# Allegro board SDHCalFEB20180110.brd (continued)
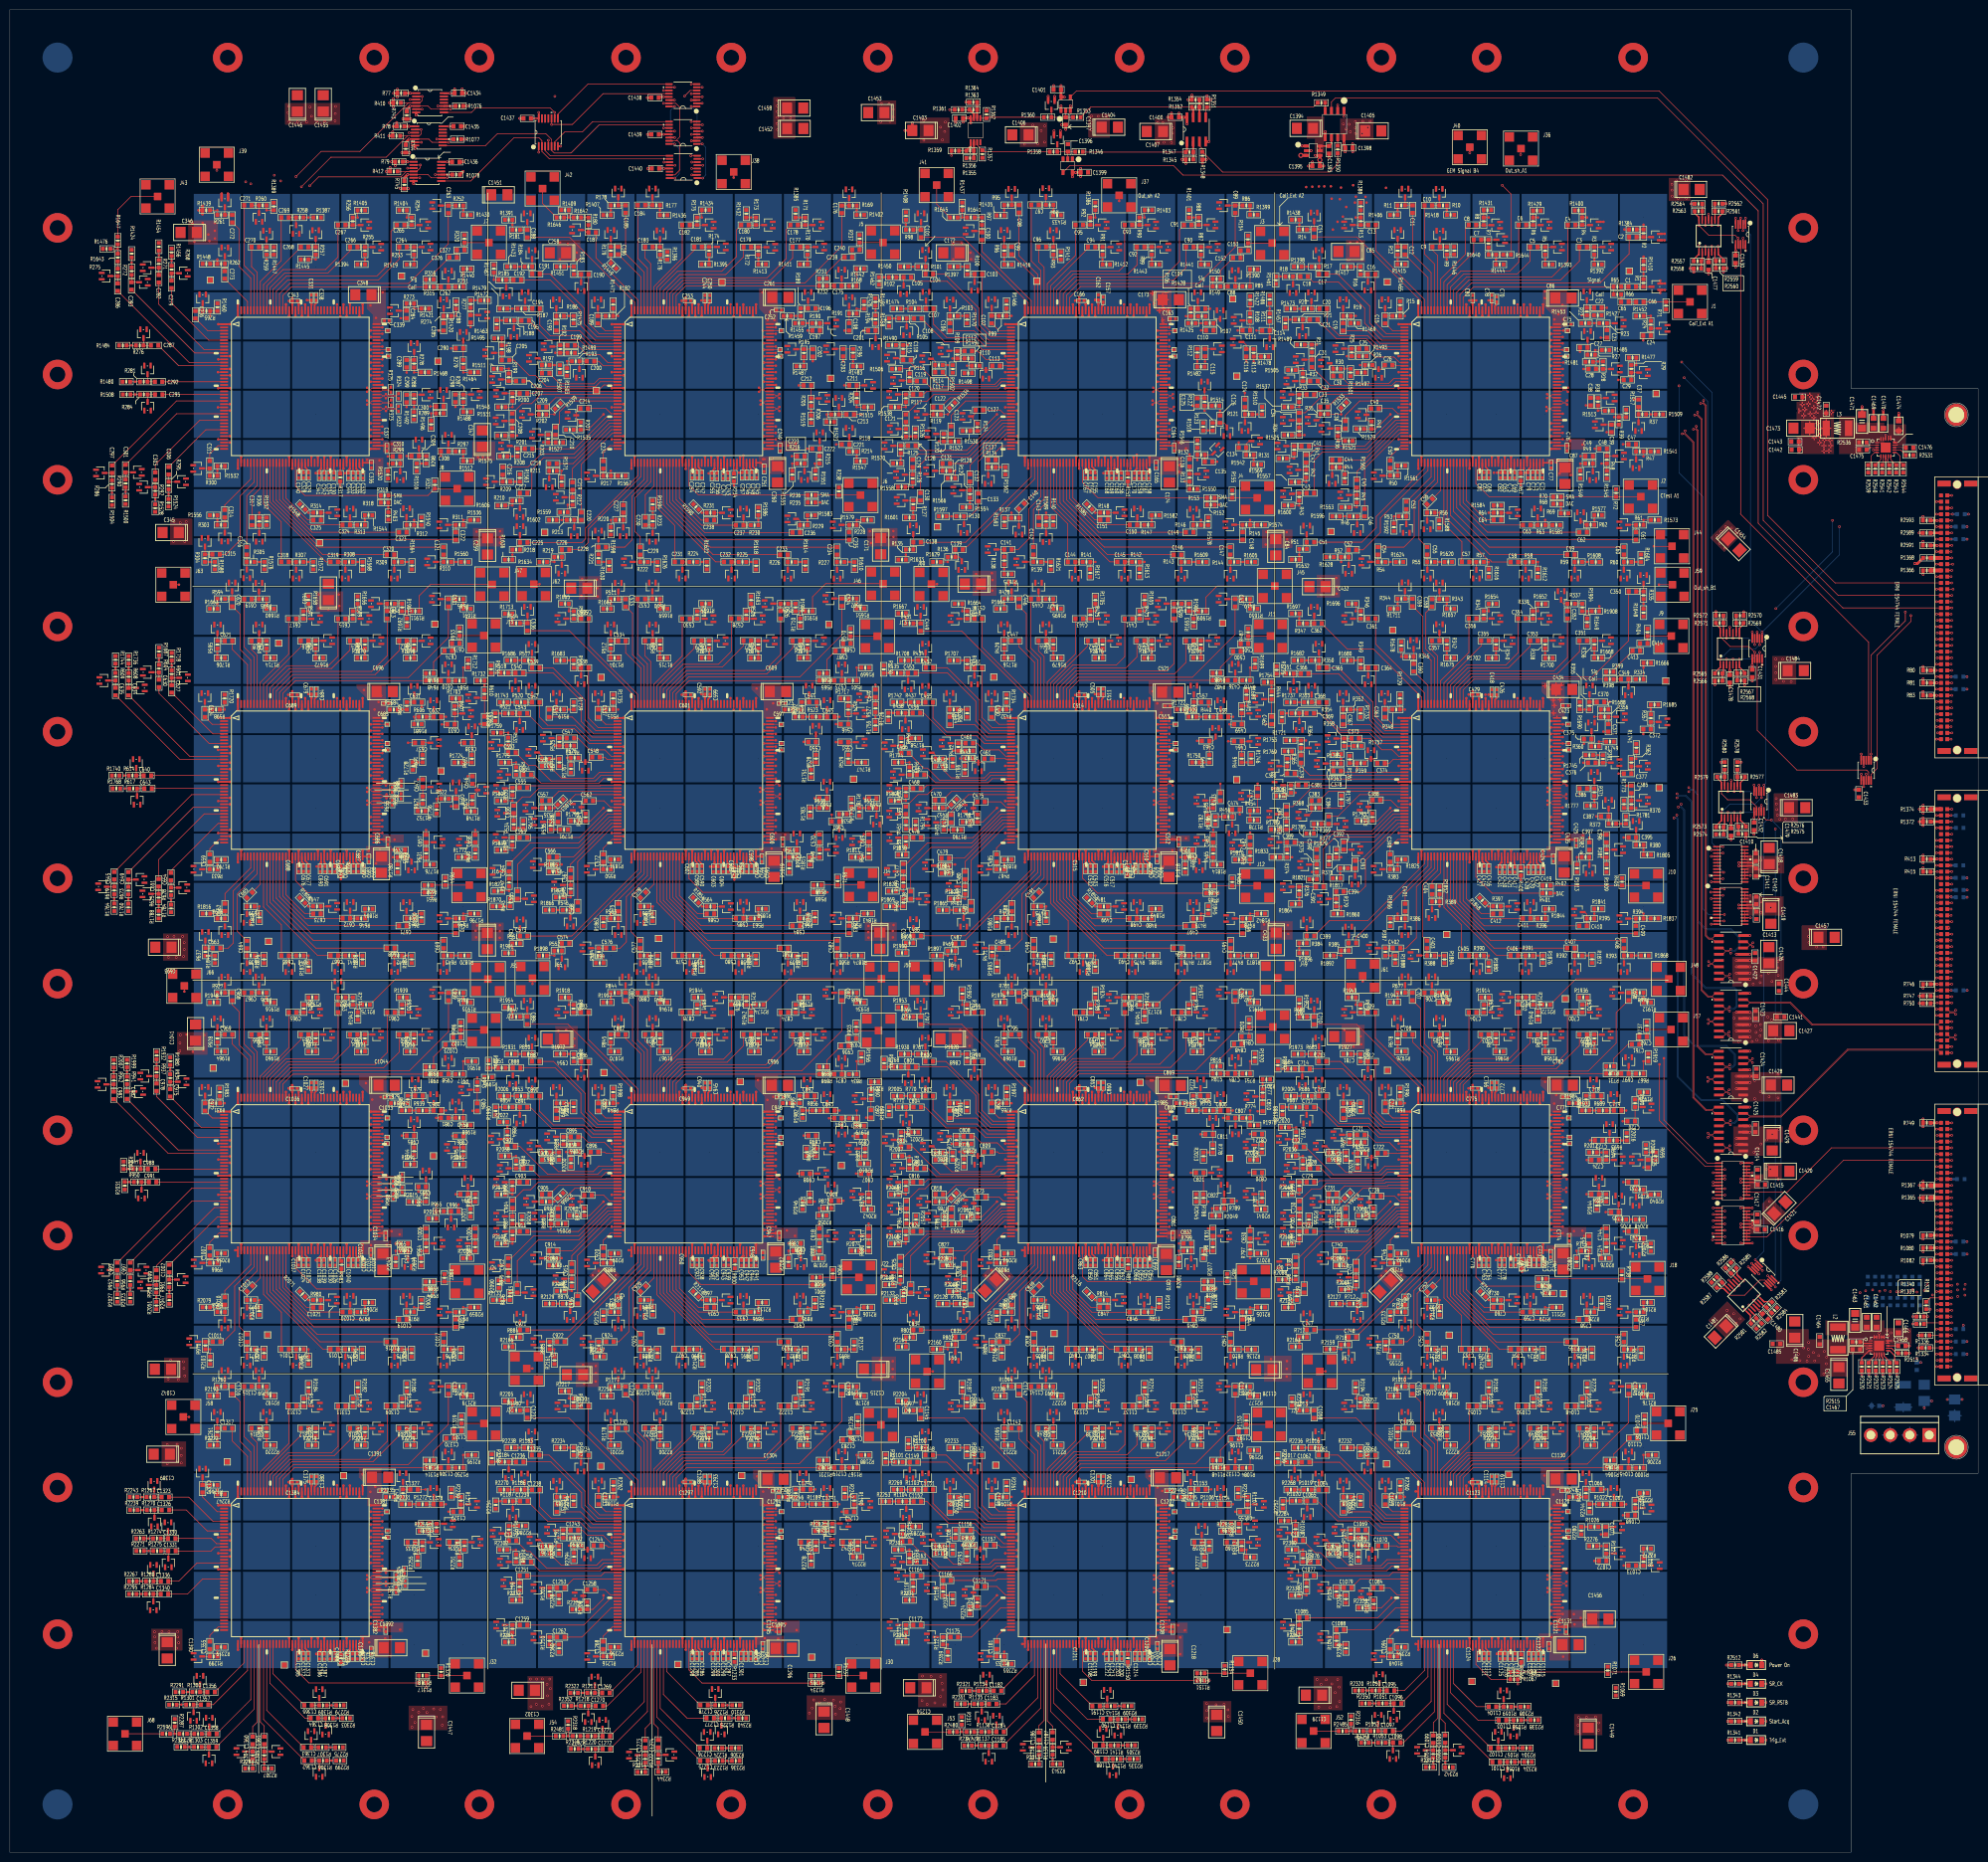
[diagram p0: board, top side]
## Nets (continued)

## Via types
v1: diameter 0.508, hole 0.102, TOP to GND1, 2884 vias
v2: diameter 0.711, hole 0.305, GND1 to GND3, 2627 vias
v3: diameter 0.508, hole 0.102, GND3 to BOTTOM, 900 vias
v4: diameter 0.508, hole 0.305, TOP to BOTTOM, 1051 vias
v5: diameter 6, hole 3.2, TOP to BOTTOM, 48 vias
v6: diameter 1.016, hole 0.61, TOP to BOTTOM, 2 vias

## Routing (per net, layer and track width the routed paths; a pad name or vN(x,y) marks a point on that pad's centre or on a via; arc(x,y) is an arc through that point)
+5VIN: length 25.5
  BOTTOM w0.254: 383.25,90.42 L1.1 ; L1.1 385.01,91.36 ; L1.1 385.01,89.48 ; L1.1 386.78,90.42 ; 394.16,88.7 C1487.1 ; C1487.1 395.48,89.89 ; C1487.1 396.8,88.7 ; C1487.1 395.48,87.5 ; 386.35,83.18 J55.2 ; J55.2 387.92,84.76 ; J55.2 386.35,86.34 ; J55.2 384.77,84.76 ; C1488.1 379.17,90.7 ; C1488.1 378,90.7 ; C1488.1 378.59,91.33 ; C1488.1 378.59,90.08 ; J55.3 383.96,84.76 ; J55.3 382.38,86.34 ; J55.3 382.38,83.18 ; J55.3 380.81,84.76
GND: length 808
  TOP w0.127: U455.101 v1(155.75,218.16) ; U845.101 v1(313.41,58.14) ; U1040.101 v1(75.74,58.14) ; U780.101 v1(75.74,138.15) ; U1040.103 v1(75.74,59.44) ; U780.103 v1(75.74,139.45) ; U455.103 v1(155.75,219.46) ; J33.A4 v4(394.88,102.49) ; U845.103 v1(313.41,59.44)
  TOP w0.254: J35.B15 v4(391.79,243.97) ; J35.A10 v4(394.88,237.62) ; U1052.6 v4(348.74,136.79) ; J34.A34 v4(394.88,204.35) ; J34.B17 v4(391.79,182.76) ; U585.75 v1(308.52,123.51) ; U1076.8 v4(380.11,100.38) ; J35.A36 v4(394.88,270.64) ; J34.A32 v4(394.88,201.81) ; J35.B31 v4(391.79,264.29) ; J35.A6 v4(394.88,232.54) ; J35.B25 v4(391.79,256.67) ; J33.A12 v4(394.88,112.65) ; J35.B7 v4(391.79,233.81) ; J35.B1 v4(391.79,226.19) ; J33.A38 v4(394.88,145.67) ; U1077.4 v4(378.92,284.95) ; v4(381.46,282.91) U1077.8 ; v4(354.33,130.92) U1053.24 v4(351.97,130.92) ; v4(351.97,123.77) U1053.13 v4(354.33,123.77) ; J33.A24 v4(394.88,127.89) ; J33.B9 v4(391.79,108.84) ; U1078.11 v4(345.43,332.84) ; J35.B35 v4(391.79,269.37) ; U1079.11 v4(349.75,248.94) ; U1052.8 v4(346.37,135.49) ; J34.A18 v4(394.88,184.03) ; J35.A16 v4(394.88,245.24) ; J34.B23 v4(391.79,190.38) ; J34.B19 v4(391.79,185.3) ; J33.A32 v4(394.88,138.05) ; J33.B17 v4(391.79,119) ; J35.B23 v4(391.79,254.13) ; J35.A32 v4(394.88,265.56) ; U1052.5 v4(348.73,137.44) ; J33.A26 v4(394.88,130.43) ; J35.A12 v4(394.88,240.16) ; J33.B15 v4(391.79,116.46) ; J33.B29 v4(391.79,134.24) ; J35.B9 v4(391.79,236.35) ; J33.A22 v4(394.88,125.35) ; U1053.7 v4(346.37,127.02) ; U1076.4 377.66,102.42 v4(377.57,102.34) ; J34.A6 v4(394.88,168.79) ; J34.A30 v4(394.88,199.27) ; J35.A24 v4(394.88,255.4) ; J34.B4 v4(391.79,166.25) ; J34.A25 v4(394.88,192.92) ; J35.A40 v4(394.88,275.72) ; J33.A20 v4(394.88,122.81) ; J33.A8 v4(394.88,107.57) ; J34.A20 v4(394.88,186.57) ; J34.B7 v4(391.79,170.06) ; v1(307.87,121.14) U585.74 ; J33.A6 v4(394.88,105.03) ; J33.B37 v4(391.79,144.4) ; R2586.2 v4(350.51,120.34) ; J33.B21 v4(391.79,124.08) ; J33.A10 v4(394.88,110.11) ; v4(351.97,132.89) U1052.13 v4(354.33,132.89) ; J33.B27 v4(391.79,131.7) ; J33.B7 v4(391.79,106.3) ; J34.B21 v4(391.79,187.84) ; J33.B5 v4(391.79,103.76) ; J34.B11 v4(391.79,175.14) ; J33.B13 v4(391.79,113.92) ; J35.A30 v4(394.88,263.02) ; U1053.8 v4(348.73,126.37) ; J34.B8 v4(391.79,171.33) ; J33.A36 v4(394.88,143.13) ; J35.B29 v4(391.79,261.75) ; J35.A34 v4(394.88,268.1) ; J34.B33 v4(391.79,203.08) ; J33.B31 v4(391.79,136.78) ; J35.B19 v4(391.79,249.05) ; U1077.18 v4(381.46,288.04) ; J33.B3 v4(391.79,101.22) ; J34.A2 v4(394.88,163.71) ; U1065.3 v4(355.68,216.84) ; J35.A26 v4(394.88,257.94) ; J33.A18 v4(394.88,120.27) ; J34.B13 v4(391.79,177.68) ; U1053.5 v4(346.37,128.32) ; J35.B5 v4(391.79,231.27) ; J34.B39 v4(391.79,210.7) ; J33.A16 v4(394.88,117.73) ; J35.A18 v4(394.88,247.78) ; J34.A14 v4(394.88,178.95) ; J35.B39 v4(391.79,274.45) ; v4(351.94,332.08) 351.94,332.08 U1058.3 ; J33.A28 v4(394.88,132.97) ; J34.A22 v4(394.88,189.11) ; J35.A38 v4(394.88,273.18) ; J34.B29 v4(391.79,198) ; J35.B33 v4(391.79,266.83) ; J35.A14 v4(394.88,242.7) ; U1080.11 v4(350,217.8) ; J34.B3 v4(391.79,164.98) ; U1052.7 v4(346.37,136.14) ; J35.A28 v4(394.88,260.48) ; J35.B21 v4(391.79,251.59) ; J34.B27 v4(391.79,195.46) ; J35.B13 v4(391.79,241.43) ; J35.B11 v4(391.79,238.89) ; J34.A28 v4(394.88,196.73) ; J35.B37 v4(391.79,271.91) ; 355.11,118.76 v4(354.21,119.66) ; J34.B15 v4(391.79,180.22) ; J34.B31 v4(391.79,200.54) ; J35.A8 v4(394.88,235.08) ; J34.A10 v4(394.88,173.87) ; J33.B23 v4(391.79,126.62) ; U1081.11 v4(349.54,116.26) ; J35.A2 v4(394.88,227.46) ; J33.B25 v4(391.79,129.16) ; J34.A38 v4(394.88,209.43) ; v4(351.97,140.04) U1052.24 v4(354.33,140.04) ; J33.B19 v4(391.79,121.54) ; J34.A1 v4(394.88,162.44) ; J35.B27 v4(391.79,259.21) ; J34.A40 v4(394.88,211.97) ; J33.B35 v4(391.79,141.86) ; J33.B11 v4(391.79,111.38) ; J34.B24 v4(391.79,191.65) ; J35.A22 v4(394.88,252.86) ; J35.B3 v4(391.79,228.73) ; J34.A5 v4(394.88,167.52) ; U1076.18 v4(380.11,105.46) ; U1062.3 v4(355.32,247.93) ; J33.A34 v4(394.88,140.59) ; J34.B37 v4(391.79,208.16) ; J33.B33 v4(391.79,139.32) ; J33.B39 v4(391.79,146.94) ; J35.A20 v4(394.88,250.32) ; U1053.6 v4(348.73,127.67) ; J33.A40 v4(394.88,148.21) ; J34.A9 v4(394.88,172.6) ; J35.A4 v4(394.88,230) ; J34.A12 v4(394.88,176.41) ; J34.A36 v4(394.88,206.89) ; J33.A14 v4(394.88,115.19) ; J33.A30 v4(394.88,135.51) ; J34.B35 v4(391.79,205.62) ; J33.B1 v4(391.79,98.68) ; J34.A16 v4(394.88,181.49) ; J35.B17 v4(391.79,246.51)
  TOP w0.305: U585.101 v1(313.41,138.15) ; U195.139 v1(140.05,314.55) ; v1(206.41,43.5) U910.41 v1(205.86,42.31) ; v1(122.39,137.5) U715.21 v1(124.75,137.5) ; U910.75 v1(228.51,43.5) ; U390.144 v1(216.81,232.15) ; U650.125 v1(229.16,154.51) ; U910.58 v1(217.46,43.5) ; v1(204.77,310.52) U130.1 v1(202.4,310.52) ; U325.126 v1(308.52,232.15) ; U975.41 v1(126.4,41.13) ; U325.142 v1(298.12,232.15) ; U65.125 v1(309.17,314.53) ; U130.64 v1(221.36,283.53) ; v1(46.39,121.14) U780.41 v1(45.84,122.32) ; U520.144 v1(56.79,232.15) ; v1(285.87,42.31) U845.41 v1(286.42,41.13) ; U650.81 v1(233.4,125.15) ; U715.121 v1(151.75,154.51) ; U260.75 v1(68.49,283.53) ; U585.81 v1(313.41,125.15) ; U975.160 v1(125.85,73.31) ; U975.160 v1(126.4,74.5) ; U975.160 v1(126.4,72.13) ; v1(286.42,312.09) U65.160 v1(286.42,314.53) ; U585.138 v1(300.72,152.1) ; U1040.141 v1(58.74,74.5) ; U650.64 v1(221.36,123.51) ; U195.69 v1(144.6,281.16) ; U910.64 v1(221.36,43.5) ; U845.74 v1(307.87,41.13) ; U845.160 v1(286.42,74.5) ; U845.160 v1(286.42,72.13) ; U845.160 v1(285.87,73.31) ; U975.126 v1(148.5,72.13) ; U455.57 v1(136.8,201.15) ; U845.66 v1(302.67,43.5) ; U845.121 v1(311.77,74.5) ; v1(284.78,137.5) U585.21 v1(282.41,137.5) ; U780.127 v1(67.84,154.51) ; v1(44.78,297.52) U260.21 v1(42.37,297.52) ; U65.139 v1(300.07,314.53) ; U260.69 v1(64.59,281.16) ; U1040.138 v1(60.69,72.13) ; U130.138 v1(220.71,312.14) ; U910.127 v1(227.86,74.5) ; U780.42 v1(47.04,123.51) ; U195.101 v1(155.78,298.17) ; U650.42 v1(207.06,123.51) ; U325.144 v1(296.82,232.15) ; U780.139 v1(60.04,154.51) ; U260.142 v1(58.09,312.16) ; U1082.7 v4(112.01,346.68) ; U975.144 v1(136.8,72.13) ; U260.140 v1(59.39,312.14) ; U455.75 v1(148.5,203.52) ; v1(42.38,70.49) U1040.1 v1(44.74,70.49) ; U975.103 v1(155.75,59.44) ; U910.141 v1(218.76,74.5) ; U325.64 v1(301.37,203.52) ; U260.64 v1(61.34,283.53) ; v1(282.41,57.49) U845.21 v1(284.78,57.49) ; v1(42.38,150.5) U780.1 v1(44.74,150.5) ; U910.42 v1(207.06,41.13) ; U585.125 v1(309.17,154.51) ; U130.103 v1(235.76,299.47) ; U1071.3 v4(138.56,356.06) ; U975.121 v1(151.75,74.5) ; U910.122 v1(231.11,72.13) ; U390.57 v1(216.81,201.15) ; U455.42 v1(127.05,203.52) ; v1(206.41,152.14) U650.160 v1(206.41,154.51) ; U650.66 v1(222.66,123.51) ; U845.144 v1(296.82,72.13) ; v1(304.62,281.16) U65.69 ; U65.81 v1(313.41,285.17) ; v1(202.4,150.5) U650.1 v1(204.76,150.5) ; U585.142 v1(298.12,152.14) ; U1040.41 v1(46.39,41.13) ; U650.126 v1(228.51,152.14) ; U325.127 v1(307.87,234.52) ; U520.75 v1(68.49,203.52) ; U520.57 v1(56.79,203.52) ; U715.160 v1(126.4,154.51) ; U715.160 v1(125.85,153.32) ; U715.160 v1(126.4,152.14) ; U975.122 v1(151.1,72.13) ; v1(284.77,230.51) U325.1 v1(282.41,230.51) ; U585.144 v1(296.82,152.14) ; v1(202.4,57.49) U910.21 v1(204.76,57.49) ; U520.74 v1(67.84,201.15) ; U260.139 v1(60.04,314.53) ; U715.141 v1(138.75,154.51) ; U585.66 v1(302.67,123.51) ; U715.42 v1(127.05,123.51) ; U325.75 v1(308.52,203.52) ; v1(282.41,310.52) U65.1 v1(284.84,310.52) ; U780.74 v1(67.84,121.14) ; U1040.57 v1(56.79,43.5) ; U650.145 v1(216.16,154.51) ; U520.66 v1(62.64,203.52) ; U715.58 v1(137.45,121.14) ; U65.121 v1(311.77,314.53) ; U390.142 v1(218.11,232.15) ; v1(46.39,154.51) U780.160 v1(46.39,152.14) ; U390.58 v1(217.46,203.53) ; U910.69 v1(224.61,41.13) ; U780.69 v1(64.59,121.14) ; U195.125 v1(149.15,314.53) ; v1(44.74,137.5) U780.21 v1(42.38,137.5) ; U130.69 v1(224.61,281.16) ; U325.138 v1(300.72,232.13) ; v1(46.39,72.13) U1040.160 v1(46.39,74.5) ; U1040.58 v1(57.44,41.13) ; U1040.66 v1(62.64,43.5) ; U65.41 v1(286.42,281.13) ; U1040.127 v1(67.84,74.5) ; v1(44.74,57.49) U1040.21 v1(42.38,57.49) ; U780.64 v1(61.34,123.51) ; U455.58 v1(137.45,203.53) ; U455.74 v1(147.85,201.14) ; U910.138 v1(220.71,72.13) ; U520.138 v1(60.69,232.15) ; U975.42 v1(127.05,43.5) ; v1(202.4,297.52) U130.21 v1(204.76,297.52) ; U130.57 216.81,283.18 216.84,283.21 v1(216.84,283.53) ; U1040.126 v1(68.49,72.13) ; U65.58 v1(297.47,283.53) ; U195.127 v1(147.85,314.58) ; U975.69 v1(144.6,41.13) ; U585.126 v1(308.52,152.14) ; U260.141 v1(58.74,314.55) ; v1(124.76,310.52) U195.1 v1(122.39,310.52) ; U975.57 v1(136.8,43.5) ; U130.42 v1(207.06,281.16) ; U1040.69 v1(64.59,41.13) ; v1(206.41,232.15) U390.160 v1(206.41,234.52) ; U195.142 v1(138.1,312.16) ; U260.74 v1(67.84,281.16) ; U845.122 v1(311.12,72.13) ; U520.121 v1(71.74,234.52) ; U325.145 v1(296.17,234.52) ; v1(299.42,312.16) U65.140 ; U455.66 v1(142.65,203.53) ; U845.127 v1(307.87,74.5) ; U260.42 v1(47.04,283.53) ; v1(202.4,137.5) U650.21 v1(204.76,137.5) ; v1(286.42,234.52) U325.160 v1(286.42,232.15) ; U325.139 v1(300.07,234.52) ; U1040.145 v1(56.14,74.5) ; U325.69 v1(304.62,201.15) ; U910.140 v1(219.41,72.13) ; U390.101 v1(235.76,218.16) ; U325.141 v1(298.77,234.52) ; U390.140 v1(219.41,232.15) ; U195.141 v1(138.75,314.53) ; U715.126 v1(148.5,152.14) ; U195.57 v1(136.8,283.57) ; U1040.122 v1(71.09,72.13) ; U260.126 v1(68.49,312.14) ; v1(205.86,122.32) U650.41 v1(206.41,121.14) ; U520.58 v1(57.44,201.15) ; U780.57 v1(56.79,123.51) ; U845.142 v1(298.12,72.13) ; v1(126.4,314.53) U195.160 v1(126.4,312.14) ; U65.57 v1(296.82,281.16) ; U845.75 v1(308.52,43.5) ; U325.121 v1(311.77,234.52) ; v1(282.41,150.5) U585.1 v1(284.78,150.5) ; U520.42 v1(47.04,203.52) ; U130.140 v1(219.41,312.16) ; U130.101 v1(235.76,298.17) ; U260.66 v1(62.64,283.53) ; U910.126 v1(228.51,72.13) ; U195.81 v1(153.39,285.17) ; U845.145 v1(296.17,74.5) ; v1(122.39,150.5) U715.1 v1(124.75,150.5) ; U65.144 v1(296.82,312.12) ; U390.127 v1(227.86,234.54) ; U455.126 v1(148.5,232.15) ; U130.145 v1(216.16,314.53) ; U715.127 v1(147.85,154.51) ; U455.142 v1(138.1,232.15) ; U455.139 v1(140.05,234.52) ; U715.144 v1(136.8,152.14) ; U780.126 v1(68.49,152.14) ; U585.127 v1(307.87,154.51) ; U325.41 v1(286.42,201.15) ; U390.69 v1(224.61,201.15) ; U975.64 v1(141.35,43.5) ; U715.142 v1(138.1,152.14) ; v1(122.39,217.51) U455.21 v1(124.75,217.51) ; U390.103 v1(235.76,219.46) ; U975.81 v1(153.39,45.14) ; v1(44.74,310.52) U260.1 v1(42.38,310.52) ; U130.142 v1(218.11,312.16) ; U1067.3 v4(140.82,348.44) ; v1(42.38,217.51) U520.21 v1(44.74,217.51) ; U195.74 v1(147.85,281.15) ; U845.1 v1(283.59,71.07) ; U845.1 v1(282.41,70.49) ; U845.1 v1(284.78,70.49) ; U455.41 v1(126.4,201.15) ; U585.139 v1(300.07,154.51) ; U65.145 v1(296.17,314.55) ; U455.138 v1(140.7,232.15) ; v1(286.42,154.51) U585.160 v1(286.42,152.12) ; v1(122.39,57.49) U975.21 v1(124.75,57.49) ; U195.42 v1(127.05,283.54) ; U715.69 v1(144.6,121.14) ; U585.58 v1(297.47,121.14) ; v1(204.76,230.51) U390.1 v1(202.4,230.51) ; U455.81 v1(153.34,205.16) ; U65.141 v1(298.77,314.53) ; U520.122 v1(71.09,232.15) ; U260.58 v1(57.44,281.16) ; U650.140 v1(219.41,152.14) ; U65.42 v1(287.07,283.57) ; U780.140 v1(59.39,152.14) ; U1040.42 v1(47.04,43.5) ; U910.1 v1(204.76,70.49) ; U910.1 v1(203.58,71.04) ; U910.1 v1(202.4,70.49) ; U650.58 v1(217.46,121.14) ; U390.42 v1(207.06,203.52) ; v1(124.75,70.49) U975.1 v1(122.39,70.49) ; U845.141 v1(298.77,74.5) ; U650.142 v1(218.11,152.14) ; U910.81 v1(233.4,45.14) ; v1(202.4,217.51) U390.21 v1(204.76,217.51) ; U650.103 v1(235.76,139.45) ; U715.66 v1(142.65,123.51) ; U1040.139 v1(60.04,74.5) ; U520.139 v1(60.04,234.52) ; v1(46.39,314.53) U260.160 v1(46.39,312.16) ; v1(206.41,314.53) U130.160 v1(206.41,312.14) ; U845.138 v1(300.72,72.13) ; v1(122.39,297.52) U195.21 v1(124.75,297.52) ; U650.138 v1(220.71,152.14) ; U1040.142 v1(58.09,72.13) ; U130.144 v1(216.81,312.12) ; U910.125 v1(229.16,74.5) ; U260.41 v1(46.39,281.16) ; U975.140 v1(139.4,72.13) ; v1(336.55,318.78) U1.2 v1(335.59,319.39) ; U650.141 v1(218.76,154.51) ; U195.138 v1(140.7,312.16) ; U195.121 v1(151.75,314.53) ; U1040.75 v1(68.49,43.5) ; v1(46.39,234.54) U520.160 v1(46.39,232.13) ; U130.121 v1(231.76,314.53) ; U975.145 v1(136.15,74.5) ; U715.103 v1(155.75,139.45) ; U910.121 v1(231.76,74.5) ; U585.57 v1(296.82,123.51) ; U325.122 v1(311.12,232.15) ; U585.42 v1(287.07,123.51) ; U65.127 v1(307.87,314.53) ; U195.64 v1(141.35,283.53) ; U845.125 v1(309.17,74.5) ; U195.122 v1(151.1,312.16) ; v1(126.4,232.15) U455.160 v1(126.4,234.87) ; v1(124.75,230.51) U455.1 v1(122.39,230.51) ; U520.125 v1(69.14,234.52) ; U390.41 v1(206.41,201.15) ; U975.142 v1(138.1,72.13) ; U65.75 v1(308.52,283.53) ; U130.66 v1(222.66,283.53) ; U195.144 v1(136.8,312.16) ; U1040.121 v1(71.74,74.5) ; U65.126 v1(308.52,312.14) ; v1(284.77,217.51) U325.21 v1(282.41,217.51) ; U390.66 v1(222.66,203.52) ; U260.125 v1(69.14,314.53) ; U455.121 v1(151.75,234.52) ; U910.160 v1(206.41,72.13) ; U910.160 v1(205.86,73.31) ; U910.160 v1(206.41,74.5) ; U910.142 v1(218.11,72.13) ; U260.103 v1(75.77,299.47) ; U260.122 v1(71.09,312.16) ; U2.2 v1(336.5,328.89) ; U585.69 v1(304.62,121.14) ; U390.122 v1(231.11,232.15) ; U910.66 v1(222.66,43.5) ; v1(44.74,230.51) U520.1 v1(42.38,230.51) ; U325.57 v1(296.82,201.15) ; U130.139 v1(220.06,314.53) ; U65.66 v1(302.67,283.53) ; U715.145 v1(136.15,154.51) ; U390.75 v1(228.51,203.52) ; U65.74 v1(307.87,281.16) ; U260.57 v1(56.79,283.54) ; U455.141 v1(138.75,234.52) ; U390.74 v1(227.86,201.15) ; U1067.14 v4(135.18,348.44) ; U325.74 v1(307.87,201.15) ; U390.145 v1(216.16,234.52) ; U780.141 v1(58.74,154.51) ; U195.140 v1(139.4,312.14) ; v1(126.4,121.14) U715.41 v1(125.85,122.32) ; U455.64 v1(141.35,203.52) ; U845.64 v1(301.37,43.5) ; U910.57 v1(216.81,41.13) ; U585.121 v1(311.77,154.51) ; U715.75 v1(148.5,123.51) ; U1040.144 v1(56.79,72.13) ; U520.145 v1(56.14,234.52) ; U780.58 v1(57.44,121.14) ; U975.75 v1(148.5,43.5) ; U65.138 v1(300.72,312.16) ; U195.58 v1(137.45,281.1) ; U325.58 v1(297.47,203.52) ; U390.125 v1(229.16,234.52) ; U975.58 v1(137.45,41.13) ; U1040.74 v1(67.84,41.13) ; U455.122 v1(151.1,232.15) ; U520.140 v1(59.39,232.15) ; U390.138 v1(220.71,232.15) ; U130.122 v1(231.11,312.14) ; U1071.14 v4(135.15,356.06) ; U260.138 v1(60.69,312.09) ; U975.138 v1(140.7,72.13) ; U325.81 v1(313.41,205.16) ; U715.74 v1(147.85,121.14) ; U780.122 v1(71.09,152.14) ; U1040.140 v1(59.39,72.13) ; v1(282.41,297.52) U65.21 v1(284.78,297.52) ; U325.103 v1(313.41,219.46) ; U130.127 v1(227.86,314.53) ; U260.101 v1(75.77,298.17) ; U130.74 v1(227.86,281.15) ; U4.2 v1(324.06,331.32) ; U715.138 v1(140.7,152.14) ; U585.64 v1(301.37,123.51) ; U715.125 v1(149.15,154.51) ; U195.126 v1(148.5,312.16) ; U65.122 v1(311.12,312.14) ; U975.125 v1(149.15,74.5) ; U650.69 v1(224.61,121.14) ; U130.141 v1(218.76,314.55) ; U650.139 v1(220.06,154.51) ; U910.103 v1(235.76,59.44) ; U130.41 v1(206.41,283.53) ; U585.41 v1(286.42,121.14) ; U910.145 v1(216.16,74.5) ; U390.126 v1(228.51,232.15) ; U845.57 v1(296.82,43.5) ; U650.121 v1(231.76,154.51) ; U780.138 v1(60.69,152.14) ; U845.126 v1(308.52,72.13) ; U780.75 v1(68.49,123.51) ; U520.41 v1(46.39,201.15) ; U195.103 v1(155.75,299.47) ; U975.141 v1(138.75,74.5) ; U650.144 v1(216.81,152.14) ; U780.125 v1(69.14,154.51) ; U390.141 v1(218.76,234.52) ; U910.101 v1(235.76,58.14) ; J33.A2 v1(394.75,99.95) ; U260.144 v1(56.79,312.16) ; U585.145 v1(296.17,154.51) ; U455.127 v1(147.85,234.52) ; U1040.125 v1(69.14,74.5) ; R1384.1 v1(328.32,329.77) ; U260.145 v1(56.14,314.55) ; U130.75 v1(228.51,283.53) ; U910.144 v1(216.81,72.13) ; U325.140 v1(299.42,232.15) ; U780.145 v1(56.14,154.51) ; U585.103 v1(313.41,139.45) ; U975.66 v1(142.65,43.5) ; U975.127 v1(147.85,74.5) ; U130.126 v1(228.51,312.14) ; U520.141 v1(58.74,234.52) ; U195.41 v1(126.4,281.16) ; U390.139 v1(220.06,234.52) ; U390.64 v1(221.36,203.52) ; U650.122 v1(231.11,152.14) ; U195.66 v1(142.65,283.53) ; U845.42 v1(287.07,43.5) ; v1(336.55,317.48) U1.1 v1(335.59,316.87) ; U520.103 v1(75.74,219.46) ; U130.125 v1(229.16,314.53) ; U390.121 v1(231.76,234.52) ; U715.64 v1(141.35,123.51) ; U65.64 v1(301.37,283.53) ; U845.58 v1(297.47,41.16) ; U195.75 v1(148.5,283.54) ; U260.127 v1(67.84,314.53) ; U325.125 v1(309.17,234.52) ; U715.81 v1(153.39,125.15) ; U845.69 v1(304.62,41.12) ; U845.140 v1(299.42,72.13) ; U325.66 v1(302.67,203.53) ; U780.144 v1(56.79,152.14) ; U650.101 v1(235.76,138.15) ; U910.139 v1(220.06,74.5) ; U195.145 v1(136.15,314.53) ; U780.142 v1(58.09,152.14) ; U2.1 v1(336.48,327.59) ; U585.122 v1(311.12,152.14) ; U845.139 v1(300.07,74.5) ; U715.101 v1(155.75,138.15) ; U650.57 v1(216.81,123.51) ; U715.139 v1(140.05,154.51) ; U455.125 v1(149.15,234.52) ; U390.81 v1(235.76,205.16) ; U520.142 v1(58.09,232.15) ; U975.74 v1(147.85,41.13) ; U130.58 v1(217.46,281.16) ; U325.42 v1(287.07,203.52) ; U260.81 v1(73.33,285.17) ; v1(298.12,312.16) U65.142 ; U780.121 v1(71.74,154.51) ; U325.101 v1(313.41,218.16) ; U455.140 v1(139.4,232.15) ; U1040.64 v1(61.34,43.5) ; U715.122 v1(151.1,152.14) ; U715.140 v1(139.4,152.14) ; U650.75 v1(228.51,123.51) ; U585.141 v1(298.77,154.51) ; U975.139 v1(140.05,74.5) ; U520.126 v1(68.49,232.15) ; U780.66 v1(62.64,123.51) ; U650.74 v1(227.86,121.14) ; U520.101 v1(75.74,218.16) ; U520.127 v1(67.84,234.52) ; R1410.1 v1(332.21,324.23) ; U455.69 v1(144.6,201.14) ; U650.127 v1(227.86,154.51) ; U260.121 v1(71.74,314.53) ; U975.101 v1(155.75,58.14) ; U910.74 v1(227.86,41.13) ; U585.140 v1(299.42,152.14)
  TOP w0.508: C1470.2 v4(380.97,292.96) ; R2562.2 v4(349.01,335) ; C1435.2 v4(92.53,350.74) ; v4(348.45,321.11) R2560.2 v4(349.21,321.89) ; R2520.1 v4(376.58,97.15) ; R2572.2 v4(346.92,252.09) ; v4(243.33,344) R1348.1 v4(242.52,343.24) ; U1064.7 v4(82.4,346.23) ; R1439.1 v1(39.17,334.54) ; R1439.1 v1(38.4,333.68) ; R1439.1 v1(39.17,332.89) ; C1439.2 v4(129.67,349.08) ; C1432.2 v4(354.67,206.83) ; v4(244.22,356.15) R1351.1 v4(243.43,356.95) ; C1208.2 v1(235.85,44.78) ; C1436.2 v4(92.23,343.5) ; R2524.1 v4(382.27,97.15) ; U1045.4 v4(243.83,347.63) ; U206.2 v1(43.07,337.03) ; v4(236.21,353.39) C1400.2 v4(235.42,352.56) ; C1393.2 v4(268.26,344.42) ; R1362.1 v4(198.6,354.28) ; R2513.1 v4(386.28,101.4) ; R2566.2 v4(346.72,237.26) ; U1046.3 v4(215.65,354.88) ; R2578.2 v4(352.07,221.53) ; v4(273.06,347.17) C1398.2 v4(273.06,345.52) ; R2525.1 v4(383.69,97.15) ; C1477.2 v4(345.43,320.75) ; C1479.2 v4(350,205.77) ; R1364.1 v4(194.39,355.63) ; v4(264.86,343.48) C1395.2 v4(264.08,342.66) ; C1469.2 v4(378.97,293.17) ; v4(353.82,170.71) U1055.5 v4(351.08,170.71) ; v4(353.82,182.47) U1057.5 v4(351.08,182.47) ; C1431.2 v4(354.32,238) ; C1430.2 v4(350.94,322.17) ; v4(213.89,351.05) C1397.2 v4(214.72,350.09) ; U1041.1 v4(262.77,346.72) ; U1044.5 v4(267.47,349.65) ; C1402.2 v4(192.32,351.56) ; v4(341.63,321.84) R2558.2 v4(342.4,321.06) ; C1401.2 v4(212.23,359) ; 356.24,38.02 v4(356.24,39.04) ; C1474.1 v4(384.1,292.4) ; v4(238.36,343.99) R1345.1 v4(239.12,343.2) ; C1440.2 v4(129.74,342.15) ; U1068.7 v4(82.63,353) ; R1334.2 v4(388.06,102.49) ; U1041.2 v4(264.6,345.77) ; R1336.2 v4(388.06,105.03) ; U1046.1 v4(213.75,354.88) ; U1047.1 v4(212.44,356.82) ; v4(239.61,356.13) R1354.1 v4(240.37,357.07) ; R2523.1 v4(380.85,97.15) ; C1468.2 v4(386.28,102.9) ; C1471.2 v4(376.63,293.75) ; v4(182.02,349.88) C1403.2 v4(183.51,351.41) ; C1438.2 v4(129.64,356.55) ; C1295.2 v1(155.84,44.78) ; C1411.2 v4(355.88,198.37) ; v4(91.97,358.29) C1434.2 v4(92.76,357.47) ; R2570.2 v4(352.57,252.07) ; U206.1 v1(44.37,337.03) ; U1056.5 v4(353.82,158.95) ; U1054.5 v4(353.87,147.6) ; C1437.2 v4(103.66,352.34) ; C1410.2 v4(355.03,203.71) ; U1042.1 v4(213.63,349.81) ; R2521.1 v4(378,97.15) ; R2568.2 v4(352.77,237.24) ; C1478.2 v4(349.75,236.73) ; R2564.2 v4(341.84,334.98) ; R2580.2 v4(347.93,221.53) ; R2522.1 v4(379.43,97.15) ; U1060.7 v4(82.09,339.06) ; R2576.2 v4(353.02,206.15)
  GND1 w0.508: 93.1,288.32 93.1,287.69
  BOTTOM w0.508: C1488.2 v4(380.9,90.7) ; R1337.2 v4(397.23,107.09) ; v4(397,92) C1487.2 v4(393.95,92) ; v4(387.76,100.3) C1459.2 v4(388.58,99.52) ; R1333.2 v4(397.99,101.22) ; R1335.2 v4(397.99,103.76) ; v4(389.28,90.3) C1460.2 v4(390.8,91.69)
  vias: v1(263.6,338.38) v1(264.85,338.45) v1(266.19,338.51) v1(267.28,338.53) v1(268.63,338.53) v1(268.78,336.02) v1(269.04,329.74) v1(269.99,331.33) v1(270.46,335.92) v1(270.69,338.28) v1(271.07,332.37) v1(271.75,334.34) v1(273.15,338.76) v1(273.52,335.22) v1(273.71,336.42) v1(275.67,336.4) v1(275.87,335.23) v1(279.83,338.23) v5(9.7,330.1) v5(9.7,300.3) v5(9.7,278.9) v5(9.7,249.1) v5(9.7,227.7) v5(9.7,197.9) v5(9.7,176.5) v5(9.7,146.7) v5(9.7,125.3) v5(9.7,95.5) v5(9.7,74.1) v5(9.7,44.3) v5(44.3,364.7) v5(44.3,9.7) v5(74.1,364.7) v5(74.1,9.7) v5(95.5,364.7) v5(95.5,9.7) v5(125.3,364.7) v5(125.3,9.7) v5(146.7,364.7) v5(146.7,9.7) v5(176.5,364.7) v5(176.5,9.7) v5(197.9,364.7) v5(197.9,9.7) v5(227.7,364.7) v5(227.7,9.7) v5(249.1,364.7) v5(249.1,9.7) v5(278.9,364.7) v5(278.9,9.7) v5(300.3,364.7) v5(300.3,9.7) v5(330.1,364.7) v5(330.1,9.7) v5(364.7,330.1) v5(364.7,278.9) v5(364.7,249.1) v5(364.7,227.7) v5(364.7,197.9) v5(364.7,176.5) v5(364.7,146.7) v5(364.7,125.3) v5(364.7,95.5) v5(364.7,74.1) v5(364.7,44.3)
